# Altium PCB Aarons_MnDOT_Board_V1.1.PcbDoc (part 1 of 3) (continued)
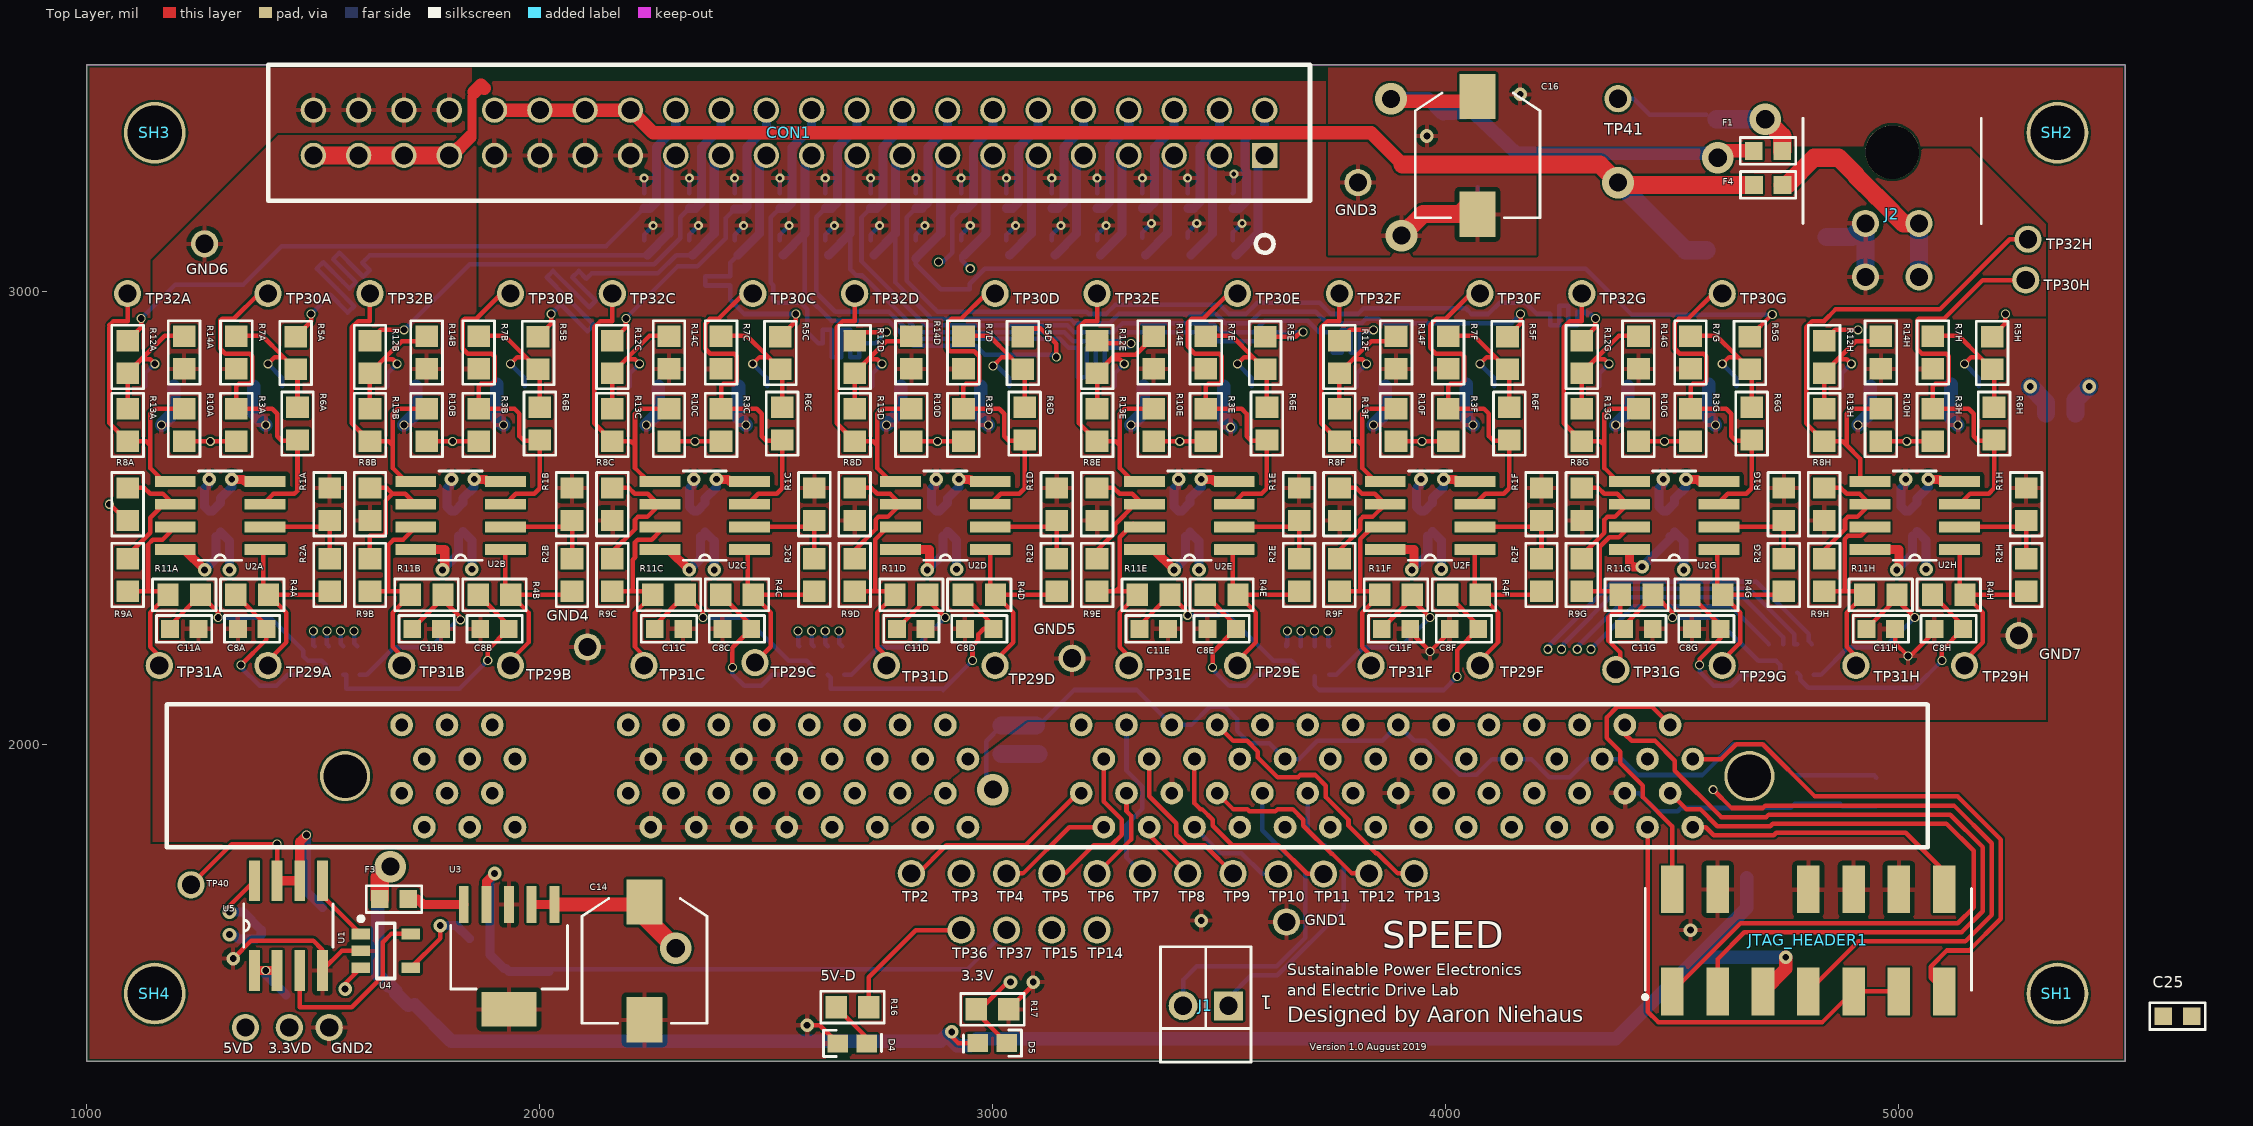
[diagram p0: Top Layer view]
## Classes and differential pairs
component class F28335: C1 C2 C3 C4 C6 C7 JTAG_HEADER1 RA1 RA2 RA3 RA4 TP2 TP3 TP4 TP5 TP6 TP7 TP8 TP9 TP10 TP11 TP12 TP13 TP14 TP15 U1
component class Main_4: CON1 D6 D7 D8 D9 D10 D11 D12 D13 D14 D15 D16 D17 D18 D19 D20 D21 D22 D23 D24 D25 D26 D27 D28 D29 D30 D31 D32 D33 F4 GND1 GND2 GND3 GND4 GND5 GND6 GND7 J1 J2 SH1 SH2 SH3 SH4
component class OP1: C8A C9A C10A C11A C12A R1A R2A R3A R4A R5A R6A R7A R8A R9A R10A R11A R12A R13A R14A TP29A TP30A TP31A TP32A U2A
component class Power_Supply: 3.3VD C14 C16 C19 C20 C21 C22 C23 D2 D4 D5 F1 F3 L1 L2 L3 L4 R16 R17 TP36 TP37 TP41 U3
component class "Voltage Reference": 5VD C24 C25 C26 C27 TP40 U4 U5
net class FPGA: ePWM2A ePWM2B ePWM3A ePWM3B ePWM4A ePWM4B ePWM5A ePWM5B ePWM6A ePWM6B
net class ADC[0..7]: ADC0 ADC1 ADC2 ADC3 ADC4 ADC5 ADC6 ADC7
net class ADC_[0..7]: ADC_0 ADC_1 ADC_2 ADC_3 ADC_4 ADC_5 ADC_6 ADC_7
net class PWM_[1..8]: PWM_1 PWM_2 PWM_3 PWM_4 PWM_5 PWM_6 PWM_7 PWM_8
component class OP2: C8B C9B C10B C11B C12B R1B R2B R3B R4B R5B R6B R7B R8B R9B R10B R11B R12B R13B R14B TP29B TP30B TP31B TP32B U2B
component class OP3: C8C C9C C10C C11C C12C R1C R2C R3C R4C R5C R6C R7C R8C R9C R10C R11C R12C R13C R14C TP29C TP30C TP31C TP32C U2C
component class OP4: C8D C9D C10D C11D C12D R1D R2D R3D R4D R5D R6D R7D R8D R9D R10D R11D R12D R13D R14D TP29D TP30D TP31D TP32D U2D
component class OP5: C8E C9E C10E C11E C12E R1E R2E R3E R4E R5E R6E R7E R8E R9E R10E R11E R12E R13E R14E TP29E TP30E TP31E TP32E U2E
component class OP6: C8F C9F C10F C11F C12F R1F R2F R3F R4F R5F R6F R7F R8F R9F R10F R11F R12F R13F R14F TP29F TP30F TP31F TP32F U2F
component class OP7: C8G C9G C10G C11G C12G R1G R2G R3G R4G R5G R6G R7G R8G R9G R10G R11G R12G R13G R14G TP29G TP30G TP31G TP32G U2G
component class OP8: C8H C9H C10H C11H C12H R1H R2H R3H R4H R5H R6H R7H R8H R9H R10H R11H R12H R13H R14H TP29H TP30H TP31H TP32H U2H
channel class Op-Amp: OP1 OP2 OP3 OP4 OP5 OP6 OP7 OP8

## Components (designator, comment, footprint, x,y, rotation, side; value= is the part's Value field where it differs from the comment)
3.3VD "TEST_POINT_HOOK" "Keystone 5000" 1446.99,1375 r0 top (schematic designator TP1)
5VD "" "Keystone 5000" 1350,1375 r0 top (schematic designator TP39)
C1 "CAP 0603 100n 50V" CAPC1608N 4950.07,1895 r270 bottom
C2 "CAP 0603 100n 50V" CAPC1608N 4770,1900 r270 bottom
C3 "CAP 0603 100n 50V" CAPC1608N 3019.46,2010 r270 bottom
C4 "CAP 0603 100n 50V" CAPC1608N 4875,1895 r270 bottom
C6 "CAP 0805 10u 16V" CAPC2012N 4700,1705 r0 bottom
C7 "CAP 0603 100n 50V" CAPC1608N 1642.44,1459.14 r270 bottom
C8A "CAP 0603 100n" CAPC1608N 1365,2254.93 r180 top (schematic designator C8)
C8B "CAP 0603 100n" CAPC1608N 1900,2254.93 r180 top (schematic designator C8)
C8C "CAP 0603 100n" CAPC1608N 2435,2254.93 r180 top (schematic designator C8)
C8D "CAP 0603 100n" CAPC1608N 2970,2254.93 r180 top (schematic designator C8)
C8E "CAP 0603 100n" CAPC1608N 3505,2254.93 r180 top (schematic designator C8)
C8F "CAP 0603 100n" CAPC1608N 4040,2254.93 r180 top (schematic designator C8)
C8G "CAP 0603 100n" CAPC1608N 4575,2254.93 r180 top (schematic designator C8)
C8H "CAP 0603 100n" CAPC1608N 5110,2254.93 r180 top (schematic designator C8)
C9A "CAP 0603 100n" CAPC1608N 1400,2790 r180 bottom (schematic designator C9)
C9B "CAP 0603 100n" CAPC1608N 1935,2790 r180 bottom (schematic designator C9)
C9C "CAP 0603 100n" CAPC1608N 2470,2790 r180 bottom (schematic designator C9)
C9D "CAP 0603 100n" CAPC1608N 3005,2790 r180 bottom (schematic designator C9)
C9E "CAP 0603 100n" CAPC1608N 3540,2790 r180 bottom (schematic designator C9)
C9F "CAP 0603 100n" CAPC1608N 4075,2790 r180 bottom (schematic designator C9)
C9G "CAP 0603 100n" CAPC1608N 4610,2790 r180 bottom (schematic designator C9)
C9H "CAP 0603 100n" CAPC1608N 5145,2790 r180 bottom (schematic designator C9)
C10A "CAP 0603 100nF 100V" CAPC1608N 1295,2500 r270 bottom (schematic designator C10)
C10B "CAP 0603 100nF 100V" CAPC1608N 1830,2501.5 r270 bottom (schematic designator C10)
C10C "CAP 0603 100nF 100V" CAPC1608N 2365,2500 r270 bottom (schematic designator C10)
C10D "CAP 0603 100nF 100V" CAPC1608N 2900,2501.5 r270 bottom (schematic designator C10)
C10E "CAP 0603 100nF 100V" CAPC1608N 3435,2500 r270 bottom (schematic designator C10)
C10F "CAP 0603 100nF 100V" CAPC1608N 3970,2501.5 r270 bottom (schematic designator C10)
C10G "CAP 0603 100nF 100V" CAPC1608N 4505,2500 r270 bottom (schematic designator C10)
C10H "CAP 0603 100nF 100V" CAPC1608N 5040,2501.5 r270 bottom (schematic designator C10)
C11A "CAP 0603 100n" CAPC1608N 1215,2254.93 r0 top (schematic designator C11)
C11B "CAP 0603 100n" CAPC1608N 1750,2254.93 r0 top (schematic designator C11)
C11C "CAP 0603 100n" CAPC1608N 2285,2254.93 r0 top (schematic designator C11)
C11D "CAP 0603 100n" CAPC1608N 2820,2254.93 r0 top (schematic designator C11)
C11E "CAP 0603 100n" CAPC1608N 3355,2254.93 r0 top (schematic designator C11)
C11F "CAP 0603 100n" CAPC1608N 3890,2254.93 r0 top (schematic designator C11)
C11G "CAP 0603 100n" CAPC1608N 4425,2254.93 r0 top (schematic designator C11)
C11H "CAP 0603 100n" CAPC1608N 4960,2254.93 r0 top (schematic designator C11)
C12A "CAP 0603 100n" CAPC1608N 1160,2790 r0 bottom (schematic designator C12)
C12B "CAP 0603 100n" CAPC1608N 1695,2790 r0 bottom (schematic designator C12)
C12C "CAP 0603 100n" CAPC1608N 2230,2790 r0 bottom (schematic designator C12)
C12D "CAP 0603 100n" CAPC1608N 2765,2790 r0 bottom (schematic designator C12)
C12E "CAP 0603 100n" CAPC1608N 3300,2790 r0 bottom (schematic designator C12)
C12F "CAP 0603 100n" CAPC1608N 3835,2790 r0 bottom (schematic designator C12)
C12G "CAP 0603 100n" CAPC1608N 4370,2790 r0 bottom (schematic designator C12)
C12H "CAP 0603 100n" CAPC1608N 4905,2790 r0 bottom (schematic designator C12)
C14 "Panasonic SMD aluminum cap FT V size d" "Panasonic TF V SMD size D cap" 2231,1522 r90 top
C16 "Panasonic SMD aluminum cap FT V size d" "Panasonic TF V SMD size D cap" 4070,3300 r90 top
C19 "CAP 0603 10n 50V" CAPC1608N 1932.04,1530 r270 bottom
C20 "CAP 0805 10u 16V" CAPC2012N 1845,1535 r270 bottom
C21 "CAP 0805 10u 16V" CAPC2012N 3105,2010 r270 bottom
C22 "CAP 0805 10u 16V" CAPC2012N 1725,1460 r90 bottom
C23 "CAP 0805 10u 16V" CAPC2012N 2020,1540 r90 bottom
C24 "CAP 0603 100nF 100V" CAPC1608N 1410,1585 r180 bottom
C25 "CAP 0603 100nF 100V" CAPC1608N 5615,1400 r0 top
C26 "CAP 0603 100nF 100V" CAPC1608N 1440,1478.44 r270 bottom
C27 "CAP 0603 100nF 100V" CAPC1608N 1516.56,1615 r90 bottom
CON1 "44 pin 100mil dual shroud" "44 PIN 100 MIL DUAL UNSHROUD" 3600,3400 r180 top locked
D2 "TVS Diode 123 20V" SOD-123 4070,3390 r270 bottom
D4 "LED" LED1608N 2690,1340 r180 top
D5 "LED" LED1608N 2999,1340.66 r0 top
D6 "TVS Diode SOD-923" SOD-923-2 2330,3096.54 r90 bottom
D7 "TVS Diode SOD-923" SOD-923-2 2430,3095 r90 bottom
D8 "TVS Diode SOD-923" SOD-923-2 2530,3095 r90 bottom
D9 "TVS Diode SOD-923" SOD-923-2 2630,3095 r90 bottom
D10 "TVS Diode SOD-923" SOD-923-2 2730,3095 r90 bottom
D11 "TVS Diode SOD-923" SOD-923-2 2830,3095 r90 bottom
D12 "TVS Diode SOD-923" SOD-923-2 2930,3095 r90 bottom
D13 "TVS Diode SOD-923" SOD-923-2 2330,3200 r90 bottom
D14 "TVS Diode SOD-923" SOD-923-2 2430,3198.46 r90 bottom
D15 "TVS Diode SOD-923" SOD-923-2 2530,3200 r90 bottom
D16 "TVS Diode SOD-923" SOD-923-2 2630,3200 r90 bottom
D17 "TVS Diode SOD-923" SOD-923-2 2730,3198.46 r90 bottom
D18 "TVS Diode SOD-923" SOD-923-2 2830,3200 r90 bottom
D19 "TVS Diode SOD-923" SOD-923-2 2930,3200 r90 bottom
D20 "TVS Diode SOD-923" SOD-923-2 3530,3095 r90 bottom
D21 "TVS Diode SOD-923" SOD-923-2 3430,3095 r90 bottom
D22 "TVS Diode SOD-923" SOD-923-2 3330,3095 r90 bottom
D23 "TVS Diode SOD-923" SOD-923-2 3230,3095 r90 bottom
D24 "TVS Diode SOD-923" SOD-923-2 3130,3095 r90 bottom
D25 "TVS Diode SOD-923" SOD-923-2 3030,3095 r90 bottom
D26 "TVS Diode SOD-923" SOD-923-2 3530,3200 r90 bottom
D27 "TVS Diode SOD-923" SOD-923-2 3430,3200 r90 bottom
D28 "TVS Diode SOD-923" SOD-923-2 3330,3200 r90 bottom
D29 "TVS Diode SOD-923" SOD-923-2 3230,3200 r90 bottom
D30 "TVS Diode SOD-923" SOD-923-2 3130,3200 r90 bottom
D31 "TVS Diode SOD-923" SOD-923-2 3030,3200 r90 bottom
D32 "TVS Diode SOD-923" SOD-923-2 2230,3096.54 r90 bottom
D33 "TVS Diode SOD-923" SOD-923-2 2230.15,3200 r90 bottom
F1 "Fuse 0603" RES1608N 4711.01,3310 r180 top
F3 "Fuse 0603" RES1608N 1678,1658.53 r180 top
F4 "Fuse 0603" RES1608N 4711.26,3234.93 r180 top
GND1 "*" "Keystone 5000" 3648,1608 r0 top
GND2 "*" "Keystone 5000" 1535,1375 r0 top
GND3 "*" "Keystone 5000" 3806,3240 r0 top
GND4 "*" "Keystone 5000" 2105,2215 r0 top
GND5 "*" "Keystone 5000" 3175,2190 r0 top
GND6 "*" "Keystone 5000" 1260,3105 r0 top
GND7 "*" "Keystone 5000" 5265,2240 r0 top
J1 "KK 6373 VT 2POS" "KK 6373 VT 2POS" 3520,1422.99 r180 top
J2 "micro-fit 3.0 4 pos" "micro-fit 3.0 4 pos dual line" 4985.14,3150 r0 top
JTAG_HEADER1 "JTAG_HEADER" JTag_Header 4500,1454.53 r90 top
L1 "Wurth" "WURTH WE-SL5" 4575,3090.79 r270 bottom
L2 "Wurth WE-CBF Ferrite Bead" "Wurth WE-CBF" 5390,2720 r180 bottom
L3 "Wurth WE-CBF Ferrite Bead" "Wurth WE-CBF" 4480,2100 r90 bottom
L4 "Wurth WE-CBF Ferrite Bead" "Wurth WE-CBF" 5265,2105 r90 bottom
R1A "RES 0805 100k" RES2012N 1536.01,2530 r90 top (schematic designator R1)
R1B "RES 0805 100k" RES2012N 2071.01,2530 r90 top (schematic designator R1)
R1C "RES 0805 100k" RES2012N 2606.01,2530 r90 top (schematic designator R1)
R1D "RES 0805 100k" RES2012N 3141.01,2530 r90 top (schematic designator R1)
R1E "RES 0805 100k" RES2012N 3676.01,2530 r90 top (schematic designator R1)
R1F "RES 0805 100k" RES2012N 4211.01,2530 r90 top (schematic designator R1)
R1G "RES 0805 100k" RES2012N 4746.01,2530 r90 top (schematic designator R1)
R1H "RES 0805 100k" RES2012N 5281.01,2530 r90 top (schematic designator R1)
R2A "RES 0805 100k" RES2012N 1536.01,2373.99 r90 top (schematic designator R2)
R2B "RES 0805 100k" RES2012N 2071.01,2373.99 r90 top (schematic designator R2)
R2C "RES 0805 100k" RES2012N 2606.01,2373.99 r90 top (schematic designator R2)
R2D "RES 0805 100k" RES2012N 3141.01,2373.99 r90 top (schematic designator R2)
R2E "RES 0805 100k" RES2012N 3676.01,2373.99 r90 top (schematic designator R2)
R2F "RES 0805 100k" RES2012N 4211.01,2373.99 r90 top (schematic designator R2)
R2G "RES 0805 100k" RES2012N 4746.01,2373.99 r90 top (schematic designator R2)
R2H "RES 0805 100k" RES2012N 5281.01,2373.99 r90 top (schematic designator R2)
R3A "RES 0805 100k" RES2012N 1330,2705 r270 top (schematic designator R3)
R3B "RES 0805 100k" RES2012N 1865,2705 r270 top (schematic designator R3)
R3C "RES 0805 100k" RES2012N 2400,2705 r270 top (schematic designator R3)
R3D "RES 0805 100k" RES2012N 2935,2705 r270 top (schematic designator R3)
R3E "RES 0805 100k" RES2012N 3470,2705 r270 top (schematic designator R3)
R3F "RES 0805 100k" RES2012N 4005,2705 r270 top (schematic designator R3)
R3G "RES 0805 100k" RES2012N 4540,2705 r270 top (schematic designator R3)
R3H "RES 0805 100k" RES2012N 5075,2705 r270 top (schematic designator R3)
R4A "RES 0805 TBD" RES2012N 1365,2330 r180 top (schematic designator R4)
R4B "RES 0805 TBD" RES2012N 1900,2330 r180 top (schematic designator R4)
R4C "RES 0805 TBD" RES2012N 2435,2330 r180 top (schematic designator R4)
R4D "RES 0805 TBD" RES2012N 2970,2330 r180 top (schematic designator R4)
R4E "RES 0805 TBD" RES2012N 3505,2330 r180 top (schematic designator R4)
R4F "RES 0805 TBD" RES2012N 4040,2330 r180 top (schematic designator R4)
R4G "RES 0805 TBD" RES2012N 4575,2330 r180 top (schematic designator R4)
R4H "RES 0805 TBD" RES2012N 5110,2330 r180 top (schematic designator R4)
R5A "RES 0805 0 Ohm" RES2012N 1461.02,2863.98 r270 top (schematic designator R5)
R5B "RES 0805 0 Ohm" RES2012N 1996.02,2863.98 r270 top (schematic designator R5)
R5C "RES 0805 0 Ohm" RES2012N 2531.02,2863.98 r270 top (schematic designator R5)
R5D "RES 0805 0 Ohm" RES2012N 3066.02,2863.98 r270 top (schematic designator R5)
R5E "RES 0805 0 Ohm" RES2012N 3601.02,2863.98 r270 top (schematic designator R5)
R5F "RES 0805 0 Ohm" RES2012N 4136.02,2863.98 r270 top (schematic designator R5)
R5G "RES 0805 0 Ohm" RES2012N 4671.02,2863.98 r270 top (schematic designator R5)
R5H "RES 0805 0 Ohm" RES2012N 5206.02,2863.98 r270 top (schematic designator R5)
R6A "RES 0805 100k" RES2012N 1465,2707.97 r90 top (schematic designator R6)
R6B "RES 0805 100k" RES2012N 2000,2707.97 r90 top (schematic designator R6)
R6C "RES 0805 100k" RES2012N 2535,2707.97 r90 top (schematic designator R6)
R6D "RES 0805 100k" RES2012N 3070,2707.97 r90 top (schematic designator R6)
R6E "RES 0805 100k" RES2012N 3605,2707.97 r90 top (schematic designator R6)
R6F "RES 0805 100k" RES2012N 4140,2707.97 r90 top (schematic designator R6)
R6G "RES 0805 100k" RES2012N 4675,2707.97 r90 top (schematic designator R6)
R6H "RES 0805 100k" RES2012N 5210,2707.97 r90 top (schematic designator R6)
R7A "RES 0805 10k" RES2012N 1330,2865 r90 top (schematic designator R7)
R7B "RES 0805 10k" RES2012N 1865,2865 r90 top (schematic designator R7)
R7C "RES 0805 10k" RES2012N 2400,2865 r90 top (schematic designator R7)
R7D "RES 0805 10k" RES2012N 2935,2865 r90 top (schematic designator R7)
R7E "RES 0805 10k" RES2012N 3470,2865 r90 top (schematic designator R7)
R7F "RES 0805 10k" RES2012N 4005,2865 r90 top (schematic designator R7)
R7G "RES 0805 10k" RES2012N 4540,2865 r90 top (schematic designator R7)
R7H "RES 0805 10k" RES2012N 5075,2865 r90 top (schematic designator R7)
R8A "RES 0805 100k" RES2012N 1090,2530 r270 top (schematic designator R8)
R8B "RES 0805 100k" RES2012N 1625,2530 r270 top (schematic designator R8)
R8C "RES 0805 100k" RES2012N 2160,2530 r270 top (schematic designator R8)
R8D "RES 0805 100k" RES2012N 2695,2530 r270 top (schematic designator R8)
R8E "RES 0805 100k" RES2012N 3230,2530 r270 top (schematic designator R8)
R8F "RES 0805 100k" RES2012N 3765,2530 r270 top (schematic designator R8)
R8G "RES 0805 100k" RES2012N 4300,2530 r270 top (schematic designator R8)
R8H "RES 0805 100k" RES2012N 4835,2530 r270 top (schematic designator R8)
R9A "RES 0805 100k" RES2012N 1090,2373.99 r90 top (schematic designator R9)
R9B "RES 0805 100k" RES2012N 1625,2373.99 r90 top (schematic designator R9)
R9C "RES 0805 100k" RES2012N 2160,2373.99 r90 top (schematic designator R9)
R9D "RES 0805 100k" RES2012N 2695,2373.99 r90 top (schematic designator R9)
R9E "RES 0805 100k" RES2012N 3230,2373.99 r90 top (schematic designator R9)
R9F "RES 0805 100k" RES2012N 3765,2373.99 r90 top (schematic designator R9)
R9G "RES 0805 100k" RES2012N 4300,2373.99 r90 top (schematic designator R9)
R9H "RES 0805 100k" RES2012N 4835,2373.99 r90 top (schematic designator R9)
R10A "RES 0805 100k" RES2012N 1215,2705 r270 top (schematic designator R10)
R10B "RES 0805 100k" RES2012N 1750,2705 r270 top (schematic designator R10)
R10C "RES 0805 100k" RES2012N 2285,2705 r270 top (schematic designator R10)
R10D "RES 0805 100k" RES2012N 2820,2705 r270 top (schematic designator R10)
R10E "RES 0805 100k" RES2012N 3355,2705 r270 top (schematic designator R10)
R10F "RES 0805 100k" RES2012N 3890,2705 r270 top (schematic designator R10)
R10G "RES 0805 100k" RES2012N 4425,2705 r270 top (schematic designator R10)
R10H "RES 0805 100k" RES2012N 4960,2705 r270 top (schematic designator R10)
R11A "RES 0805 0 Ohm" RES2012N 1215,2330 r0 top (schematic designator R11)
R11B "RES 0805 0 Ohm" RES2012N 1750,2330 r0 top (schematic designator R11)
R11C "RES 0805 0 Ohm" RES2012N 2285,2330 r0 top (schematic designator R11)
R11D "RES 0805 0 Ohm" RES2012N 2820,2330 r0 top (schematic designator R11)
R11E "RES 0805 0 Ohm" RES2012N 3355,2330 r0 top (schematic designator R11)
R11F "RES 0805 0 Ohm" RES2012N 3890,2330 r0 top (schematic designator R11)
R11G "RES 0805 0 Ohm" RES2012N 4421,2330 r0 top (schematic designator R11)
R11H "RES 0805 0 Ohm" RES2012N 4960,2330 r0 top (schematic designator R11)
R12A "RES 0805 0 Ohm" RES2012N 1090,2855 r270 top (schematic designator R12)
R12B "RES 0805 0 Ohm" RES2012N 1625,2855 r270 top (schematic designator R12)
R12C "RES 0805 0 Ohm" RES2012N 2160,2855 r270 top (schematic designator R12)
R12D "RES 0805 0 Ohm" RES2012N 2695,2855 r270 top (schematic designator R12)
R12E "RES 0805 0 Ohm" RES2012N 3230,2855 r270 top (schematic designator R12)
R12F "RES 0805 0 Ohm" RES2012N 3765,2855 r270 top (schematic designator R12)
R12G "RES 0805 0 Ohm" RES2012N 4300,2855 r270 top (schematic designator R12)
R12H "RES 0805 0 Ohm" RES2012N 4835,2855 r270 top (schematic designator R12)
R13A "RES 0805 100k" RES2012N 1090,2705 r90 top (schematic designator R13)
R13B "RES 0805 100k" RES2012N 1625,2705 r90 top (schematic designator R13)
R13C "RES 0805 100k" RES2012N 2160,2705 r90 top (schematic designator R13)
R13D "RES 0805 100k" RES2012N 2695,2705 r90 top (schematic designator R13)
R13E "RES 0805 100k" RES2012N 3230,2705 r90 top (schematic designator R13)
R13F "RES 0805 100k" RES2012N 3765,2705 r90 top (schematic designator R13)
R13G "RES 0805 100k" RES2012N 4300,2705 r90 top (schematic designator R13)
R13H "RES 0805 100k" RES2012N 4835,2705 r90 top (schematic designator R13)
R14A "RES 0805 10k" RES2012N 1215,2865 r90 top (schematic designator R14)
R14B "RES 0805 10k" RES2012N 1750,2865 r90 top (schematic designator R14)
R14C "RES 0805 10k" RES2012N 2285,2865 r90 top (schematic designator R14)
R14D "RES 0805 10k" RES2012N 2820,2865 r90 top (schematic designator R14)
R14E "RES 0805 10k" RES2012N 3355,2865 r90 top (schematic designator R14)
R14F "RES 0805 10k" RES2012N 3890,2865 r90 top (schematic designator R14)
R14G "RES 0805 10k" RES2012N 4425,2865 r90 top (schematic designator R14)
R14H "RES 0805 10k" RES2012N 4960,2865 r90 top (schematic designator R14)
R16 "RES 0805 2k" RES2012N 2690,1420.01 r0 top
R17 "RES 0805 2k" RES2012N 2999,1415.2 r180 top
RA1 "EXB38V 0 OHM" EXB38V 1550,2185 r0 bottom
RA2 "EXB38V 0 OHM" EXB38V 2620,2185 r0 bottom
RA3 "EXB38V 0 OHM" EXB38V 3695,2185 r0 bottom
RA4 "EXB38V 0 OHM" EXB38V 4760,2190 r0 bottom
SH1 "4-40 screw hole" "4-40 screw hole" 5350,1450 r0 top
SH2 "4-40 screw hole" "4-40 screw hole" 5350,3350 r0 top
SH3 "4-40 screw hole" "4-40 screw hole" 1150,3350 r0 top
SH4 "4-40 screw hole" "4-40 screw hole" 1150,1450 r0 top
TP2 "TEST_POINT_HOOK" "Keystone 5000" 2820,1715 r0 top
TP3 "TEST_POINT_HOOK" "Keystone 5000" 2930,1715 r0 top
TP4 "TEST_POINT_HOOK" "Keystone 5000" 3030,1715 r0 top
TP5 "TEST_POINT_HOOK" "Keystone 5000" 3130,1715 r0 top
TP6 "TEST_POINT_HOOK" "Keystone 5000" 3230,1715 r0 top
TP7 "TEST_POINT_HOOK" "Keystone 5000" 3330,1715 r0 top
TP8 "TEST_POINT_HOOK" "Keystone 5000" 3430,1715 r0 top
TP9 "TEST_POINT_HOOK" "Keystone 5000" 3530,1715 r0 top
TP10 "TEST_POINT_HOOK" "Keystone 5000" 3630,1714.01 r0 top
TP11 "TEST_POINT_HOOK" "Keystone 5000" 3730,1714.01 r0 top
TP12 "TEST_POINT_HOOK" "Keystone 5000" 3830,1715 r0 top
TP13 "TEST_POINT_HOOK" "Keystone 5000" 3930,1715 r0 top
TP14 "TEST_POINT_HOOK" "Keystone 5000" 3230,1590 r0 top
TP15 "TEST_POINT_HOOK" "Keystone 5000" 3130,1590 r0 top
TP29A "" "Keystone 5000" 1400,2174.02 r90 top (schematic designator TP29)
TP29B "" "Keystone 5000" 1935,2174.02 r90 top (schematic designator TP29)
TP29C "" "Keystone 5000" 2475,2180.4 r90 top (schematic designator TP29)
TP29D "" "Keystone 5000" 3005,2174.02 r90 top (schematic designator TP29)
TP29E "" "Keystone 5000" 3540,2174.02 r90 top (schematic designator TP29)
TP29F "" "Keystone 5000" 4075,2174.02 r90 top (schematic designator TP29)
TP29G "" "Keystone 5000" 4610,2174.02 r90 top (schematic designator TP29)
TP29H "" "Keystone 5000" 5145,2174.02 r90 top (schematic designator TP29)
TP30A "" "Keystone 5000" 1400,2995 r0 top (schematic designator TP30)
TP30B "" "Keystone 5000" 1935,2995 r0 top (schematic designator TP30)
TP30C "" "Keystone 5000" 2470,2995 r0 top (schematic designator TP30)
TP30D "" "Keystone 5000" 3005,2995 r0 top (schematic designator TP30)
TP30E "" "Keystone 5000" 3540,2995 r0 top (schematic designator TP30)
TP30F "" "Keystone 5000" 4075,2995 r0 top (schematic designator TP30)
TP30G "" "Keystone 5000" 4610,2995 r0 top (schematic designator TP30)
TP30H "" "Keystone 5000" 5280,3025 r0 top (schematic designator TP30)
TP31A "" "Keystone 5000" 1160,2174.02 r90 top (schematic designator TP31)
TP31B "" "Keystone 5000" 1695,2174.02 r90 top (schematic designator TP31)
TP31C "" "Keystone 5000" 2230,2174.02 r90 top (schematic designator TP31)
TP31D "" "Keystone 5000" 2765,2174.02 r90 top (schematic designator TP31)
TP31E "" "Keystone 5000" 3300,2174.02 r90 top (schematic designator TP31)
TP31F "" "Keystone 5000" 3835,2174.02 r90 top (schematic designator TP31)
TP31G "" "Keystone 5000" 4375,2165 r90 top (schematic designator TP31)
TP31H "" "Keystone 5000" 4905,2174.02 r90 top (schematic designator TP31)
TP32A "" "Keystone 5000" 1090,2995 r90 top (schematic designator TP32)
TP32B "" "Keystone 5000" 1625,2995 r90 top (schematic designator TP32)
TP32C "" "Keystone 5000" 2160,2995 r90 top (schematic designator TP32)
TP32D "" "Keystone 5000" 2695,2995 r90 top (schematic designator TP32)
TP32E "" "Keystone 5000" 3230,2995 r90 top (schematic designator TP32)
TP32F "" "Keystone 5000" 3765,2995 r90 top (schematic designator TP32)
TP32G "" "Keystone 5000" 4300,2995 r90 top (schematic designator TP32)
TP32H "" "Keystone 5000" 5285,3115 r90 top (schematic designator TP32)
TP36 "" "Keystone 5000" 2930,1590 r0 top
TP37 "" "Keystone 5000" 3030,1590 r0 top
TP40 "" "Keystone 5000" 1230,1690 r0 top
TP41 "TEST_POINT_HOOK" "Keystone 5000" 4380,3425.3 r0 top
U1 "F28335_dimm_100_dock" DIMM_100_100mil 3120,1930 r0 top
U2A "LTC6253HMS8#PBF" SOIC-8 1294,2505 r180 top value=Value (schematic designator U2)
U2B "LTC6253HMS8#PBF" SOIC-8 1825,2505 r180 top value=Value (schematic designator U2)
U2C "LTC6253HMS8#PBF" SOIC-8 2364,2505 r180 top value=Value (schematic designator U2)
U2D "LTC6253HMS8#PBF" SOIC-8 2895,2505 r180 top value=Value (schematic designator U2)
U2E "LTC6253HMS8#PBF" SOIC-8 3434,2505 r180 top value=Value (schematic designator U2)
U2F "LTC6253HMS8#PBF" SOIC-8 3965,2505 r180 top value=Value (schematic designator U2)
U2G "LTC6253HMS8#PBF" SOIC-8 4504,2505 r180 top value=Value (schematic designator U2)
U2H "LTC6253HMS8#PBF" SOIC-8 5035,2505 r180 top value=Value (schematic designator U2)
U3 "TPS79633DCQ" SOT-223-6 1932.04,1530 r180 top value=Value
U4 "REF2033" "SOT-23 5 PIN" 1660,1544.14 r0 top
U5 "LTC6253HMS8#PBF" SOIC-8 1445,1600 r90 top value=Value

## Footprints (in the part's own frame and the unit in brackets; to place one, negate y for a bottom-side part, rotate by r counter-clockwise, add the part's x,y. Pads: shape width x height; smd on the part's side, far side on the other; paste and mask are expansions set on the pad)
"4-40 screw hole" [mil]
  round 136 hole 120: 1(0,0)
"44 PIN 100 MIL DUAL UNSHROUD" [mil] "44 pin 100mil dual Unshroud header Right angle"
  rect 56x56 hole 40: 1(0,100)
  round 56 hole 40: 2(0,0) 3(100,100) 4(100,0) 5(200,100) 6(200,0) 7(300,100) 8(300,0) 9(400,100) 10(400,0) 11(500,100) 12(500,0) 13(600,100) 14(600,0) 15(700,100) 16(700,0) 17(800,100) 18(800,0) 19(900,100) 20(900,0) 21(1000,100) 22(1000,0) 23(1100,100) 24(1100,0) 25(1200,100) 26(1200,0) 27(1300,100) 28(1300,0) 29(1400,100) 30(1400,0) 31(1500,100) 32(1500,0) 33(1600,100) 34(1600,0) 35(1700,100) 36(1700,0) 37(1800,100) 38(1800,0) 39(1900,100) 40(1900,0) 41(2000,100) 42(2000,0) 43(2100,100) 44(2100,0)
  silkscreen extent -100,-100 2200,315
CAPC1608N [mm] "Chip Capacitor, Body 1.6x0.8mm, IPC Medium Density"
  rect 1x1 smd: 1(-0.8,0) 2(0.8,0)
  silkscreen extent -1.55,-0.75 1.55,0.75, body extent -0.8,-0.41 0.8,0.39, height 0.3
CAPC2012N [mil] "Chip Capacitor, Body 2.0x1.3mm, IPC Medium Density"
  rect 47x50 smd: 1(-36,0) 2(36,0)
  silkscreen extent -70,-35 70,35, body extent -41,-24 37,25, height 31
DIMM_100_100mil [mil] "Connector; DIMM II; 100 Position; Vertical"
  round 50 hole 28: 1(-1425,-37.6) 2(-1375,-112.8) 3(-1325,-37.6) 4(-1275,-112.8) 5(-1225,-37.6) 6(-1175,-112.8) 7(-925,-37.6) 8(-875,-112.8) 9(-825,-37.6) 10(-775,-112.8) 11(-725,-37.6) 12(-675,-112.8) 13(-625,-37.6) 14(-575,-112.8) 15(-525,-37.6) 16(-475,-112.8) 17(-425,-37.6) 18(-375,-112.8) 19(-325,-37.6) 20(-275,-112.8) 21(-225,-37.6) 22(-175,-112.8) 23(75,-37.6) 24(125,-112.8) 25(175,-37.6) 26(225,-112.8) 27(275,-37.6) 28(325,-112.8) 29(375,-37.6) 30(425,-112.8) 31(475,-37.6) 32(525,-112.8) 33(575,-37.6) 34(625,-112.8) 35(675,-37.6) 36(725,-112.8) 37(775,-37.6) 38(825,-112.8) 39(875,-37.6) 40(925,-112.8) 41(975,-37.6) 42(1025,-112.8) 43(1075,-37.6) 44(1125,-112.8) 45(1175,-37.6) 46(1225,-112.8) 47(1275,-37.6) 48(1325,-112.8) 49(1375,-37.6) 50(1425,-112.8) 51(-1425,112.8) 52(-1375,37.6) 53(-1325,112.8) 54(-1275,37.6) 55(-1225,112.8) 56(-1175,37.6) 57(-925,112.8) 58(-875,37.6) 59(-825,112.8) 60(-775,37.6) 61(-725,112.8) 62(-675,37.6) 63(-625,112.8) 64(-575,37.6) 65(-525,112.8) 66(-475,37.6) 67(-425,112.8) 68(-375,37.6) 69(-325,112.8) 70(-275,37.6) 71(-225,112.8) 72(-175,37.6) 73(75,112.8) 74(125,37.6) 75(175,112.8) 76(225,37.6) 77(275,112.8) 78(325,37.6) 79(375,112.8) 80(425,37.6) 81(475,112.8) 82(525,37.6) 83(575,112.8) 84(625,37.6) 85(675,112.8) 86(725,37.6) 87(775,112.8) 88(825,37.6) 89(875,112.8) 90(925,37.6) 91(975,112.8) 92(1025,37.6) 93(1075,112.8) 94(1125,37.6) 95(1175,112.8) 96(1225,37.6) 97(1275,112.8) 98(1325,37.6) 99(1375,112.8) 100(1425,37.6)
  round 111 hole 96.06: 101(-1550,0) 102(1550,0)
  silkscreen extent -1944,-158 1944,158, body extent -2083,-154 2090,143, height 936
EXB38V [mm] "Chip Resistor Array, (0603x4); SM; 8 Leads; Body 3.40 x 1.75 mm (LxW max)"
  rect 0.5x0.8 smd: 1(-1.2,-0.8) 2(-0.4,-0.8) 3(0.4,-0.8) 4(1.2,-0.8) 5(1.2,0.8) 6(0.4,0.8) 7(-0.4,0.8) 8(-1.2,0.8)
  silkscreen extent -1.75,-0.87 1.7,0.87, body extent -1.6,-0.8 1.6,0.8, height 0.5
JTag_Header [mil] "14 pin 100mil"
  rect 105x50 smd: 1(0,0) 2(225.47,0) 3(0,-100) 4(225.47,-100) 5(0,-200) 7(0,-300) 8(225.47,-300) 9(0,-400) 10(225.47,-400) 11(0,-500) 12(225.47,-500) 13(0,-600) 14(225.47,-600)
  silkscreen extent -16,-660 228,64, body extent -35,-650 260,50, height 385
"Keystone 5000" [mil] "Keystone 1 mm hole test point"
  round 60 hole 40.16: 1(0,0)
"KK 6373 VT 2POS" [mil]
  rect 64x64 hole 40: 1(0,0)
  round 64 hole 40: 2(100,0)
  silkscreen extent -50,-130 150,125, body extent -46,-129 148,121, height 422
LED1608N [mil] "Chip Resistor, Body 2.0x1.3mm, IPC Medium Density"
  rect 45.37x39.37 smd: 1(-32,0) 2(32,0)
  silkscreen extent -64,-29 64,29, body extent -32,-16 32,16, height 43
"micro-fit 3.0 4 pos dual line" [mil] "3 mm pitch"
  round 60 hole 40: 1(-59.06,0) 2(-59.06,-118.11) 3(59.06,0) 4(59.06,-118.11)
  round 118.11 hole 118.11 unplated: 5(0,157.48)
  silkscreen extent -197,0 197,232, body extent -200,-130 200,352, height 344
"Panasonic TF V SMD size D cap" [mil]
  rect 100x80 smd: 1(130,0) 2(-130,0)
  silkscreen extent -138,-138 138,138, body extent -145,-132 143,128, height 232
RES1608N [mm] "Chip Capacitor, Body 1.6x0.8mm, IPC Medium Density"
  rect 1x1 smd: 1(-0.8,0) 2(0.8,0)
  silkscreen extent -1.55,-0.75 1.55,0.75, body extent -0.72,-0.41 0.83,0.44, height 0.45
RES2012N [mil] "Chip Resistor, Body 2.0x1.3mm, IPC Medium Density"
  rect 47x50 smd: 1(-36,0) 2(36,0)
  silkscreen extent -70,-35 70,35, body extent -48,-24 50,25, height 31
SOD-123 [mil]
  rect 66x55.12 smd: 1(0,0) 2(160,0)
  silkscreen extent -42,-23 -42,24, body extent 1,-36 155,35, height 51
SOD-923-2 [mm]
  rect 0.36x0.25 smd: 1(-0.42,0) 2(0.42,0)
  silkscreen extent -1.02,-0.51 0.53,0.51, body extent -0.52,-0.32 0.53,0.32, height 0.43
SOIC-8 [mil]
  rect 90x24 smd: 1(-99,75) 2(-99,25) 3(-99,-25) 4(-99,-75) 5(99,-75) 6(99,-25) 7(99,25) 8(99,75)
  silkscreen extent -48,-98 48,98, body extent -118,-96 118,96, height 65
"SOT-23 5 PIN" [mm] "SOT23, 5-Leads, Body 2.90x2.90mm, Pitch 0.95mm, IPC Medium Density"
  rect 1.05x0.6 smd: 1(-1.4,0.95) 2(-1.4,0) 3(-1.4,-0.95) 4(1.4,-0.95) 5(1.4,0.95)
  silkscreen extent -1.52,-1.55 0.5,1.92, body extent -0.87,-1.52 0.87,1.53, height 1.1
SOT-223-6 [mil]
  rect 22x81 smd: 1(-100,-116.5) 2(-50,-116.5) 3(0,-116.5) 4(50,-116.5) 5(100,-116.5)
  rect 122.05x75.98 smd: 6(0,115)
  silkscreen extent -129,-70 129,70, body extent -129,-143 129,143, height 71
"Wurth WE-CBF" [mm] "Wurth WE-CBF Ferrite Bead 2A 0.15Ohm"
  rect 0.95x0.7 smd: 1(0,0) 2(1.65,0)
  silkscreen extent -0.13,-0.76 1.65,0.76
"WURTH WE-SL5" [mm] "2A Common Mode Choke"
  rect 2.7x2.7 smd: 1(0,0) 2(-7.6,0) 3(-7.6,-5.9) 4(0,-5.9)
  silkscreen extent -8.3,-7.7 0.8,1.8

## Part data
5VD GND1 GND2 GND3 GND4 GND5 GND6 GND7 TP29A TP29B TP29C TP29D TP29E TP29F TP29G TP29H TP30A TP30B TP30C TP30D TP30E TP30F TP30G TP30H TP31A TP31B TP31C TP31D TP31E TP31F TP31G TP31H TP32A TP32B TP32C TP32D TP32E TP32F TP32G TP32H TP36 TP37 TP40: library part TEST_POINT_HOOK
C1 C2 C3 C4 C7 C8A C8B C8C C8D C8E C8F C8G C8H C10A C10B C10C C10D C10E C10F C10G C10H C11A C11B C11C C11D C11E C11F C11G C11H C12A C12B C12C C12D C12E C12F C12G C12H C19 C24 C25 C26 C27: library part "CAP 0603 TBD", "CAP 0603 TBD", Manuf=TBD, Cost=TBD, Manuf#=TBD, Part#=TBD, Vendor=TBD
C6 C20 C21 C22 C23: library part "CAP 0805 TBD", "CAP 0805 TBD", Manuf=TBD, Cost=TBD, Manuf#=TBD, Part#=TBD, Vendor=TBD
C9A C9B C9C C9D C9E C9F C9G C9H: library part "CAP 0603 TBD", "CAP 0603 100 nF", Manuf=TBD, Cost=TBD, Manuf#=TBD, Part#=TBD, Vendor=TBD
C14 C16: Manuf="Panasonic - ECG", Cost@10=0.844, Vendor=DIGIKEY
CON1: library part "44 pin 100mil dual shroud_1_1_1", "44 pin 100mil dual unshrouded header"
D2: library part "TVS Diode TBD"
D4 D5: Manuf=OSRAM, Manuf#="LG M67K-G1J2-24-0-2-R18-Z", Cost@10=0.17, Part#=475-1406-1-ND, Vendor=Digikey
J1: "1x2 Locking Header", Manuf="Molex/Waldom Electronics Corp", Manuf#=22-23-2041, Cost@10=0.41, Part#=WM4202-ND, Vendor=DIGIKEY
J2: library part "micro-fit 3.0 4 poS", Manuf="Molex/Waldom Electronics Corp", Manuf#=22-23-2041, Cost@10=0.41, Part#=43045-0402, Vendor=newark
JTAG_HEADER1: Manuf=3M, Manuf#=929975-01-05-RK, Cost@10=1.807, Part#=929975E-01-05-ND, Vendor=Digikey
L1: library part "Wurth WE-SL5", "Wurth WE-SL5 Common Mode Choke", Manufacturer="Murata Power Solutions Inc", Manufacturer Part Number=51105C, Part Number=811-1253-ND, Packaging="Vertical, 4 PC Pin, Through hole", Vendor=Digikey
L2 L3 L4: library part "Wurth WE-CBF", "Wurth WE-CBF Ferrite Bead 2A 0.15Ohm", Manufacturer="Murata Power Solutions Inc", Manufacturer Part Number=51105C, Part Number=811-1253-ND, Packaging="Vertical, 4 PC Pin, Through hole", Vendor=Digikey
R1A R1B R1C R1D R1E R1F R1G R1H R2A R2B R2C R2D R2E R2F R2G R2H R3A R3B R3C R3D R3E R3F R3G R3H R5A R5B R5C R5D R5E R5F R5G R5H R6A R6B R6C R6D R6E R6F R6G R6H R7A R7B R7C R7D R7E R7F R7G R7H R8A R8B R8C R8D R8E R8F R8G R8H R9A R9B R9C R9D R9E R9F R9G R9H R10A R10B R10C R10D R10E R10F R10G R10H R11A R11B R11C R11D R11E R11F R11G R11H R12A R12B R12C R12D R12E R12F R12G R12H R13A R13B R13C R13D R13E R13F R13G R13H R14A R14B R14C R14D R14E R14F R14G R14H: library part "RES 0805 TBD", "RES 0805 TBD", Manuf=TBD, Cost@10=TBD, Manuf#=TBD, Part#=TBD, Vendor=TBD
R4A R4B R4C R4D R4E R4F R4G R4H: Manuf=TBD, Cost@10=TBD, Manuf#=TBD, Part#=TBD, Vendor=TBD
R16 R17: library part "RES 0805 TBD", Manuf=TBD, Cost@10=TBD, Manuf#=TBD, Part#=TBD, Vendor=TBD
RA1 RA2 RA3 RA4: library part EXB38V, "EXB38V 0603*4 TBD"
U2A U2B U2C U2D U2E U2F U2G U2H U5: "720MHz, 3.5mA Power / Efficient Rail-to-Rail / I/O Op Amps", Manufacturer="Texas Instruments", Manufacturer_Part_Number=opa2140_d_8, PACKAGE_DESIGNATOR=D, Datasheet URL=http://www.ti.com/lit/gpn/OPA2140, FAMILY_NAME="LOW INPUT BIAS CURRENT/FET INPUT", GENERIC_PART_NUMBER=OPA2140, INDUSTRY_STD_PKG_TYPE=SOIC, PIN_COUNT=8, RefDes=RefDes, Type=DEV, Vendor="Texas Instruments"
U3: library part TPS79633, "Single Output LDO, 1.0A, Fixed(3.3V), Low Noise, High PSRR", Manufacturer="Texas Instruments", Manufacturer_Part_Number=tps79633_dcq_6, PACKAGE_DESIGNATOR=DCQ, Datasheet URL=http://www.ti.com/lit/gpn/TPS79633, FAMILY_NAME="SINGLE CHANNEL LDO", GENERIC_PART_NUMBER=TPS79633, INDUSTRY_STD_PKG_TYPE=SOT-223, PIN_COUNT=6, RefDes=RefDes, Supplier 1=Digi-Key, Supplier 2=Newark, Type=DEV, Vendor="Texas Instruments"

## Via types
v1: diameter 20, hole 15, Top Layer to Bottom Layer, 97 vias
v2: diameter 30, hole 15, Top Layer to Bottom Layer, 49 vias
v3: diameter 20, hole 10, Top Layer to Bottom Layer, 28 vias
v4: diameter 70, hole 40, Top Layer to Bottom Layer, 8 vias

## Nets (pads, with @x,y where several pads share a name; then routed paths per layer and width w, separated by ;. In a path a pad name is that pad's centre, name@x,y a point inside that pad or via, vN(x,y) a via of type N, cw(c..) or ccw(c..) an arc to the next point about the centre after c; other vN are vias at no path point)
1_65: U4.1 U5.5 | length 152.6
  Top Layer w10: U5.5@1520,1699 1520,1666.42 U4.1@1604.88,1581.54
3.3V_D: 3.3VD.1 C6.1 C7.1 C22.1 D5.1 F3.2 JTAG_HEADER1.5 | length 4431.7
  Top Layer w10: v2@2909,1355.2 2923.54,1340.66 D5.1@2967,1340.66
  Top Layer w30: JTAG_HEADER1.5@4700,1454.53 4750,1504.53 v2(4750,1530)
  Top Layer w40: F3.2@1646.5,1658.53 1646.5,1706.5 v4(1670,1730)
  Signal Layer 1 w10: 3.3VD.1@1446.99,1375 1446.99,1506.99 v4(1670,1730)
  Bottom Layer w20: C22.1@1709.08,1424 C22.1@1725,1424
  Bottom Layer w30: v4(1670,1730) 1642.44,1702.44 C7.1@1642.44,1490.64 1665.75,1467.33 1670.41,1467.33 1682.13,1455.61 1682.13,1450.95 C22.1@1709.08,1424 ; C22.1@1724,1425 C22.1@1725,1424 1804,1345 2885,1345 2900,1360 2900,1355.5 2920.5,1335 2949.5,1335 2964.5,1350 4375,1350 4555,1530 ; C6.1@4664,1705 4664,1639 4555,1530 ; v2(4750,1530) 4555,1530
  other v2: 2909,1365.2
3_3: U4.5 U5.3 | length 437
  Top Layer w10: U5.3@1470,1501 1470,1420 1585,1420 1653,1488 1653,1563 1671.54,1581.54 U4.5@1715.12,1581.54